# Altium PCB NZPP.PcbDoc (part 1 of 3)
Units mm, origin at the board's own origin, x right, y up, seen from the top; angles counter-clockwise.
Board outline 217.7 x 106.4 mm, 2 copper layers (Top Layer, Bottom Layer), stack 1.571 mm thick; 164 components, 125 nets, 738 pads, 4270 vias.
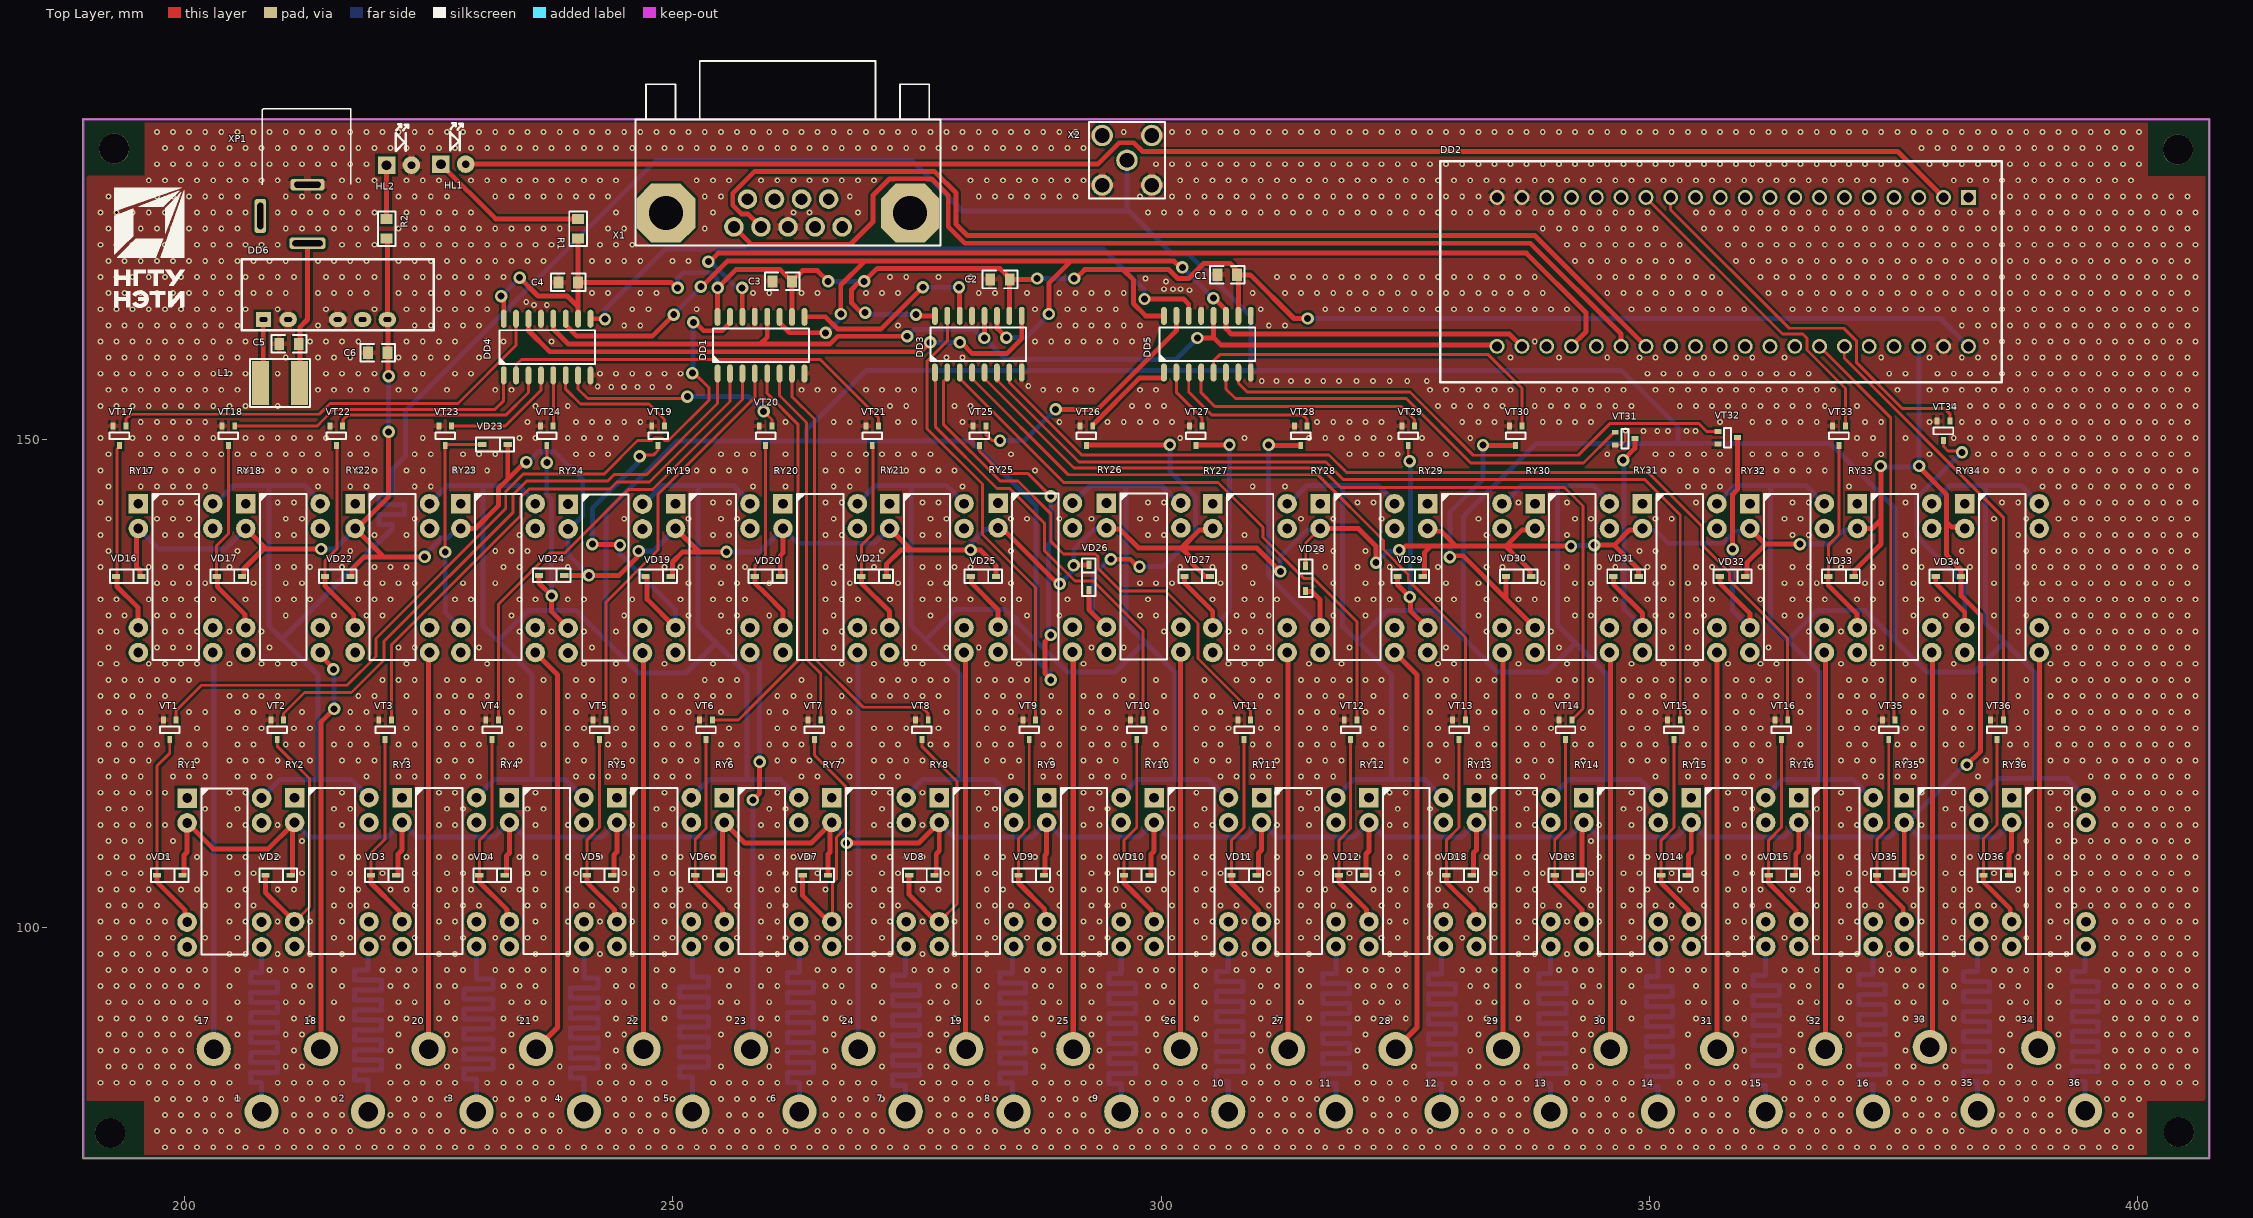
[diagram p0: Top Layer view]
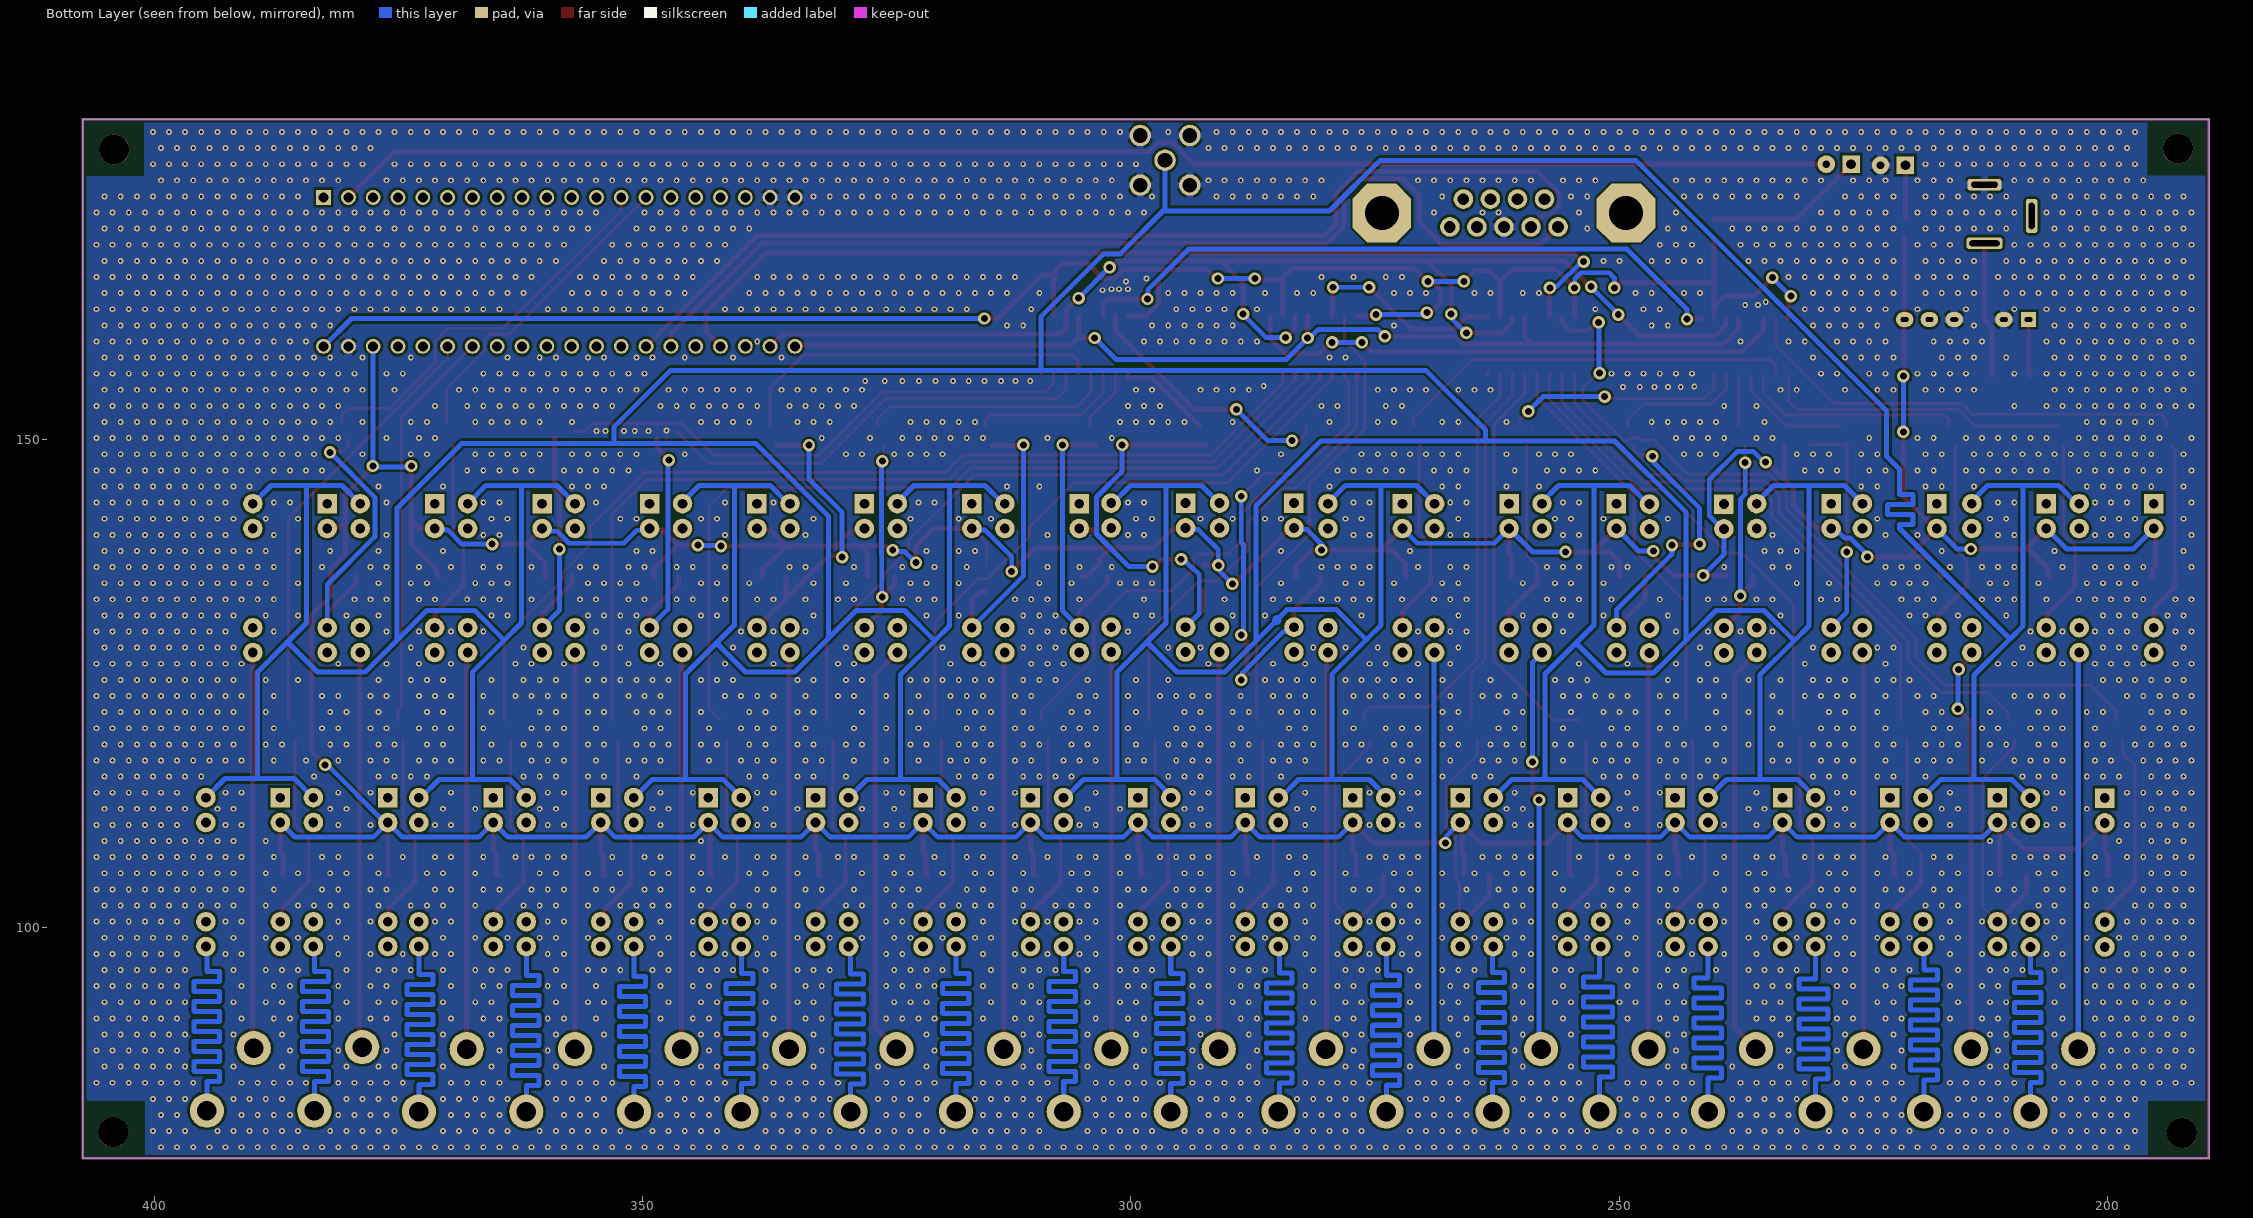
[diagram p1: Bottom Layer view, seen from below]
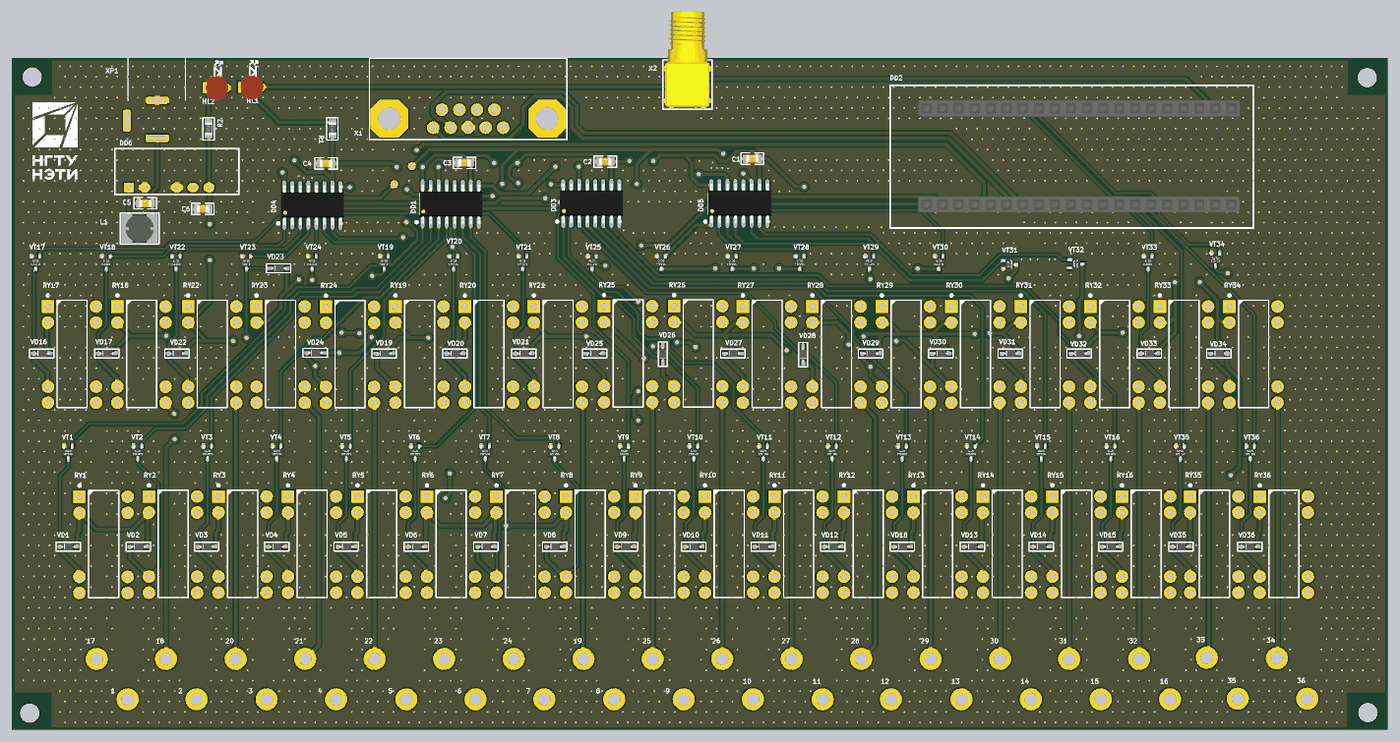
[diagram p4: 3D render of the assembled board from above, using the file's embedded part models]

## Layer stack, top to bottom
Top Solder: solder mask 0.0102, Solder Resist, Dk 3.5
Top Layer: signal copper 0.0356
Dielectric 1: dielectric 1.5, FR-4, Dk 4.8
Bottom Layer: signal copper 0.0356
Bottom Solder: solder mask 0.0102, Solder Resist, Dk 3.5

## Board outline
189.6,76.4 407.3,76.4 407.3,182.8 189.6,182.8

## Design rules (kind name [scope] priority, off if disabled: settings)
Clearance [All] p1: gap=0.254 ignorepadtopadclearanceinfootprint=FALSE
HoleSize [All] p1: absolutevalues=TRUE maxlimit=9 minlimit=0.025 maxpercent=80.000 minpercent=20.000
MatchedLengths [InNetClass('All Nets')] p1: tolerance=1 checknetsindiffpair=TRUE checkdiffpairvsdiffpair=FALSE checkxsignals=FALSE checkothers=FALSE
PolygonConnect [All vs InNet('GND')] p1: thpad.connectstyle=Relief thpad.reliefconductorwidth=0.8 thpad.reliefentries=4 thpad.polygonreliefangle="90 Angle" thpad.airgapwidth=0.254 smdpad.connectstyle=Relief smdpad.reliefconductorwidth=0.5 smdpad.reliefentries=4 smdpad.polygonreliefangle="90 Angle" smdpad.airgapwidth=0.254 via.connectstyle=Direct via.reliefconductorwidth=0.254 via.reliefentries=4 via.polygonreliefangle="90 Angle" via.airgapwidth=0.254
RoutingVias [All] p1: holewidth=0.711 width=1.27 viastyle="Through Hole" minholewidth=0.711 minwidth=1.27 maxholewidth=0.711 maxwidth=1.27
SilkToSilkClearance [All vs OnLayer('Top Overlay')] p1: silktosilkclearance=0.254
SilkToSolderMaskClearance SilkToSolderMaskClearance_1 [IsPad vs OnLayer('Bottom Layer')] p1: minsilkscreentomaskgap=0.254 clearancetoexposedcopper=TRUE
SilkToSolderMaskClearance [IsPad vs OnLayer('Top Layer')] p2: minsilkscreentomaskgap=0.254 clearancetoexposedcopper=TRUE
SolderMaskExpansion [All] p1: expansion=0.102 istentingtop=FALSE
Width Width_1 [InNet('NET37')] p1: maxlimit=0.516 minlimit=0.516 preferedwidth=0.516 impedanceprofiledriven=TRUE impedanceprofileid={87C7AE51-2967-4B5A-A139-8D661E7D4A49} impedanceprofilevalue=50.000000 minimp=50.000000 maximp=50.000000 favimp=50.000000
Width [All] p2: maxlimit=1 minlimit=0.254 preferedwidth=0.5 minimp=50.000000 maximp=50.000000 favimp=50.000000
27 further rules are at their usual default settings.

## Classes and differential pairs
component class 1.NZPP: 1 2 3 4 5 6 7 8 9 10 11 12 13 14 15 16 17 18 19 20 21 22 23 24 25 26 27 28 29 30 31 32 33 34 35 36 C1 C2 C3 C4 C5 C6 DD1 DD2 DD3 DD4 DD5 DD6 HL1 HL2 L1 R1 R2 X1 X2 XP1
component class 2.NZPP: RY1 RY2 RY3 RY4 RY5 RY6 RY7 RY8 RY9 RY10 RY11 RY12 RY13 RY14 RY15 RY16 RY17 RY18 RY19 RY20 RY21 RY22 RY23 RY24 RY25 RY26 RY27 RY28 RY29 RY30 RY31 RY32 RY33 RY34 RY35 RY36 VD1 VD2 VD3 VD4 VD5 VD6 VD7 VD8 VD9 VD10 VD11 VD12 VD13 VD14 VD15 VD16 VD17 VD18 VD19 VD20 VD21 VD22 VD23 VD24 VD25 VD26 VD27 VD28 VD29 VD30 VD31 VD32 VD33 VD34 VD35 VD36 VT1 VT2 VT3 VT4 VT5 VT6 VT7 VT8 VT9 VT10 VT11 VT12 VT13 VT14 VT15 VT16 VT17 VT18 VT19 VT20 VT21 VT22 VT23 VT24 VT25 VT26 VT27 VT28 VT29 VT30 VT31 VT32 VT33 VT34 VT35 VT36

## Components (designator, comment, footprint, x,y, rotation, side; value= is the part's Value field where it differs from the comment)
1 "Point" Point#1 207.9,81.2 r0 top (schematic designator *)
2 "Point" Point#2 218.8,84 r0 top (schematic designator *1)
3 "Point" Point#2 229.9,84 r0 top (schematic designator *2)
4 "Point" Point#2 240.9,84 r0 top (schematic designator *3)
5 "Point" Point#2 252.011,84 r0 top (schematic designator *4)
6 "Point" Point#2 262.964,84 r0 top (schematic designator *5)
7 "Point" Point#2 273.844,84 r0 top (schematic designator *6)
8 "Point" Point#2 284.9,84 r0 top (schematic designator *7)
9 "Point" Point#2 295.917,84 r0 top (schematic designator *8)
10 "Point" Point#2 306.87,84 r0 top (schematic designator *9)
11 "Point" Point#2 317.9,84 r0 top (schematic designator *10)
12 "Point" Point#2 328.7,84 r0 top (schematic designator *11)
13 "Point" Point#2 339.873,84 r0 top (schematic designator *12)
14 "Point" Point#2 350.861,84 r0 top (schematic designator *13)
15 "Point" Point#2 361.9,84 r0 top (schematic designator *14)
16 "Point" Point#2 372.9,84 r0 top (schematic designator *15)
17 "Point" Point#2 203,90.4 r0 top (schematic designator *16)
18 "Point" Point#2 213.964,90.4 r0 top (schematic designator *17)
19 "Point" Point#2 280.04,90.4 r0 top (schematic designator *18)
20 "Point" Point#2 225,90.4 r0 top (schematic designator *19)
21 "Point" Point#2 236,90.4 r0 top (schematic designator *20)
22 "Point" Point#2 247,90.4 r0 top (schematic designator *21)
23 "Point" Point#2 258,90.4 r0 top (schematic designator *22)
24 "Point" Point#2 269,90.4 r0 top (schematic designator *23)
25 "Point" Point#2 291,90.4 r0 top (schematic designator *24)
26 "Point" Point#2 302,90.4 r0 top (schematic designator *25)
27 "Point" Point#2 313,90.4 r0 top (schematic designator *26)
28 "Point" Point#2 324,90.4 r0 top (schematic designator *27)
29 "Point" Point#2 335,90.4 r0 top (schematic designator *28)
30 "Point" Point#2 346,90.4 r0 top (schematic designator *29)
31 "Point" Point#2 356.92,90.4 r0 top (schematic designator *30)
32 "Point" Point#2 368,90.4 r0 top (schematic designator *31)
33 "Point" Point#2 378.7,90.6 r0 top (schematic designator *32)
34 "Point" Point#2 389.8,90.5 r0 top (schematic designator *33)
35 "Point" Point#2 383.6,84.1 r0 top (schematic designator *34)
36 "Point" Point#2 394.6,84.1 r0 top (schematic designator *35)
C1 "100н" "CAP: 0805" 306.771,166.873 r0 top
C2 "100н" "CAP: 0805" 283.5,166.4 r0 top
C3 "100н" "CAP: 0805" 261.2,166.2 r0 top
C4 "100н" "CAP: 0805" 239.3,166.1 r0 top
C5 "4.7мк" "CAP: 0805" 210.7,159.8 r0 top
C6 "4.7мк" "CAP: 0805" 219.8,158.9 r0 top
DD1 "74HC595D" 74HC595D 258.985,159.7 r90 top
DD2 "STM32F103C8T6" "STM32F103C8T6 - duplicate" 360.215,167.2 r270 top
DD3 "74HC595D" 74HC595D 281.233,159.8 r90 top
DD4 "74HC595D" 74HC595D 237.085,159.5 r90 top
DD5 "74HC595D" 74HC595D 304.685,159.8 r90 top
DD6 "B1205S-2WR3" B1205S-2WR3 205.864,168.446 r0 top
HL1 "GNL-3012HD" "led green" 226.26,178.2 r0 top
HL2 "GNL-3012HD" led 220.7,178.1 r0 top
L1 "100мкГн" 100мкГн 212.925,155.95 r180 top
R1 "560" "RES: 0805" 240.3,171.6 r270 top
R2 "1к" "RES: 0805" 220.7,171.6 r270 top
RY1 "TRR-1A-05-D-00-R" TRR-1A-05-D-00-R 200.28,113.3 r0 top
RY2 "TRR-1A-05-D-00-R" TRR-1A-05-D-00-R 211.28,113.34 r0 top
RY3 "TRR-1A-05-D-00-R" TRR-1A-05-D-00-R 222.28,113.34 r0 top
RY4 "TRR-1A-05-D-00-R" TRR-1A-05-D-00-R 233.28,113.34 r0 top
RY5 "TRR-1A-05-D-00-R" TRR-1A-05-D-00-R 244.28,113.34 r0 top
RY6 "TRR-1A-05-D-00-R" TRR-1A-05-D-00-R 255.28,113.34 r0 top
RY7 "TRR-1A-05-D-00-R" TRR-1A-05-D-00-R 266.28,113.34 r0 top
RY8 "TRR-1A-05-D-00-R" TRR-1A-05-D-00-R 277.28,113.34 r0 top
RY9 "TRR-1A-05-D-00-R" TRR-1A-05-D-00-R 288.28,113.34 r0 top
RY10 "TRR-1A-05-D-00-R" TRR-1A-05-D-00-R 299.28,113.34 r0 top
RY11 "TRR-1A-05-D-00-R" TRR-1A-05-D-00-R 310.28,113.34 r0 top
RY12 "TRR-1A-05-D-00-R" TRR-1A-05-D-00-R 321.28,113.34 r0 top
RY13 "TRR-1A-05-D-00-R" TRR-1A-05-D-00-R 332.28,113.34 r0 top
RY14 "TRR-1A-05-D-00-R" TRR-1A-05-D-00-R 343.28,113.34 r0 top
RY15 "TRR-1A-05-D-00-R" TRR-1A-05-D-00-R 354.28,113.34 r0 top
RY16 "TRR-1A-05-D-00-R" TRR-1A-05-D-00-R 365.28,113.34 r0 top
RY17 "TRR-1A-05-D-00-R" TRR-1A-05-D-00-R 195.28,143.44 r0 top
RY18 "TRR-1A-05-D-00-R" TRR-1A-05-D-00-R 206.28,143.44 r0 top
RY19 "TRR-1A-05-D-00-R" TRR-1A-05-D-00-R 250.28,143.44 r0 top
RY20 "TRR-1A-05-D-00-R" TRR-1A-05-D-00-R 261.28,143.44 r0 top
RY21 "TRR-1A-05-D-00-R" TRR-1A-05-D-00-R 272.2,143.44 r0 top
RY22 "TRR-1A-05-D-00-R" TRR-1A-05-D-00-R 217.48,143.44 r0 top
RY23 "TRR-1A-05-D-00-R" TRR-1A-05-D-00-R 228.3,143.44 r0 top
RY24 "TRR-1A-05-D-00-R" TRR-1A-05-D-00-R 239.28,143.4 r0 top
RY25 "TRR-1A-05-D-00-R" TRR-1A-05-D-00-R 283.299,143.5 r0 top
RY26 "TRR-1A-05-D-00-R" TRR-1A-05-D-00-R 294.399,143.5 r0 top
RY27 "TRR-1A-05-D-00-R" TRR-1A-05-D-00-R 305.28,143.44 r0 top
RY28 "TRR-1A-05-D-00-R" TRR-1A-05-D-00-R 316.28,143.44 r0 top
RY29 "TRR-1A-05-D-00-R" TRR-1A-05-D-00-R 327.28,143.44 r0 top
RY30 "TRR-1A-05-D-00-R" TRR-1A-05-D-00-R 338.28,143.44 r0 top
RY31 "TRR-1A-05-D-00-R" TRR-1A-05-D-00-R 349.28,143.44 r0 top
RY32 "TRR-1A-05-D-00-R" TRR-1A-05-D-00-R 360.28,143.44 r0 top
RY33 "TRR-1A-05-D-00-R" TRR-1A-05-D-00-R 371.28,143.44 r0 top
RY34 "TRR-1A-05-D-00-R" TRR-1A-05-D-00-R 382.28,143.44 r0 top
RY35 "TRR-1A-05-D-00-R" TRR-1A-05-D-00-R 376.08,113.34 r0 top
RY36 "TRR-1A-05-D-00-R" TRR-1A-05-D-00-R 387.08,113.34 r0 top
VD1 "BAS316" "DIODE: SOD323" 198.5,105.4 r0 top
VD2 "BAS316" "DIODE: SOD323" 209.6,105.4 r0 top
VD3 "BAS316" "DIODE: SOD323" 220.4,105.4 r0 top
VD4 "BAS316" "DIODE: SOD323" 231.5,105.4 r0 top
VD5 "BAS316" "DIODE: SOD323" 242.5,105.4 r0 top
VD6 "BAS316" "DIODE: SOD323" 253.6,105.4 r0 top
VD7 "BAS316" "DIODE: SOD323" 264.6,105.4 r0 top
VD8 "BAS316" "DIODE: SOD323" 275.5,105.4 r0 top
VD9 "BAS316" "DIODE: SOD323" 286.7,105.4 r0 top
VD10 "BAS316" "DIODE: SOD323" 297.5,105.4 r0 top
VD11 "BAS316" "DIODE: SOD323" 308.5,105.4 r0 top
VD12 "BAS316" "DIODE: SOD323" 319.5,105.4 r0 top
VD13 "BAS316" "DIODE: SOD323" 341.6,105.4 r0 top
VD14 "BAS316" "DIODE: SOD323" 352.5,105.4 r0 top
VD15 "BAS316" "DIODE: SOD323" 363.5,105.4 r0 top
VD16 "BAS316" "DIODE: SOD323" 194.3,136 r0 top
VD17 "BAS316" "DIODE: SOD323" 204.6,136 r0 top
VD18 "BAS316" "DIODE: SOD323" 330.5,105.4 r0 top
VD19 "BAS316" "DIODE: SOD323" 248.5,136 r0 top
VD20 "BAS316" "DIODE: SOD323" 259.7,136 r0 top
VD21 "BAS316" "DIODE: SOD323" 270.6,136 r0 top
VD22 "BAS316" "DIODE: SOD323" 215.7,136 r0 top
VD23 "BAS316" "DIODE: SOD323" 231.8,149.5 r0 top
VD24 "BAS316" "DIODE: SOD323" 237.6,136.1 r0 top
VD25 "BAS316" "DIODE: SOD323" 281.8,136 r0 top
VD26 "BAS316" "DIODE: SOD323" 292.6,135.9 r90 top
VD27 "BAS316" "DIODE: SOD323" 303.7,136 r0 top
VD28 "BAS316" "DIODE: SOD323" 314.8,135.8 r90 top
VD29 "BAS316" "DIODE: SOD323" 325.5,136 r0 top
VD30 "BAS316" "DIODE: SOD323" 336.6,136 r0 top
VD31 "BAS316" "DIODE: SOD323" 347.6,136 r0 top
VD32 "BAS316" "DIODE: SOD323" 358.5,136 r0 top
VD33 "BAS316" "DIODE: SOD323" 369.6,136 r0 top
VD34 "BAS316" "DIODE: SOD323" 380.6,136 r0 top
VD35 "BAS316" "DIODE: SOD323" 374.6,105.4 r0 top
VD36 "BAS316" "DIODE: SOD323" 385.5,105.4 r0 top
VT1 "PDTD113ZUX" SC-70 198.5,120.3 r270 top
VT2 "PDTD113ZUX" SC-70 209.5,120.3 r270 top
VT3 "PDTD113ZUX" SC-70 220.55,120.3 r270 top
VT4 "PDTD113ZUX" SC-70 231.5,120.3 r270 top
VT5 "PDTD113ZUX" SC-70 242.5,120.3 r270 top
VT6 "PDTD113ZUX" SC-70 253.4,120.3 r270 top
VT7 "PDTD113ZUX" SC-70 264.5,120.3 r270 top
VT8 "PDTD113ZUX" SC-70 275.5,120.3 r270 top
VT9 "PDTD113ZUX" SC-70 286.5,120.3 r270 top
VT10 "PDTD113ZUX" SC-70 297.5,120.3 r270 top
VT11 "PDTD113ZUX" SC-70 308.5,120.3 r270 top
VT12 "PDTD113ZUX" SC-70 319.4,120.3 r270 top
VT13 "PDTD113ZUX" SC-70 330.5,120.3 r270 top
VT14 "PDTD113ZUX" SC-70 341.4,120.3 r270 top
VT15 "PDTD113ZUX" SC-70 352.5,120.3 r270 top
VT16 "PDTD113ZUX" SC-70 363.5,120.3 r270 top
VT17 "PDTD113ZUX" SC-70 193.35,150.4 r270 top
VT18 "PDTD113ZUX" SC-70 204.5,150.4 r270 top